# Altium PCB DE118_Timer.PcbDoc
Units mil, origin at the board's own origin, x right, y up, seen from the top; angles counter-clockwise.
Board outline 3937.01 x 3149.61 mil, 2 copper layers (Component Side, Bottom Layer), stack 4.3 mil thick; 32 components, 48 nets, 197 pads, 12 vias.
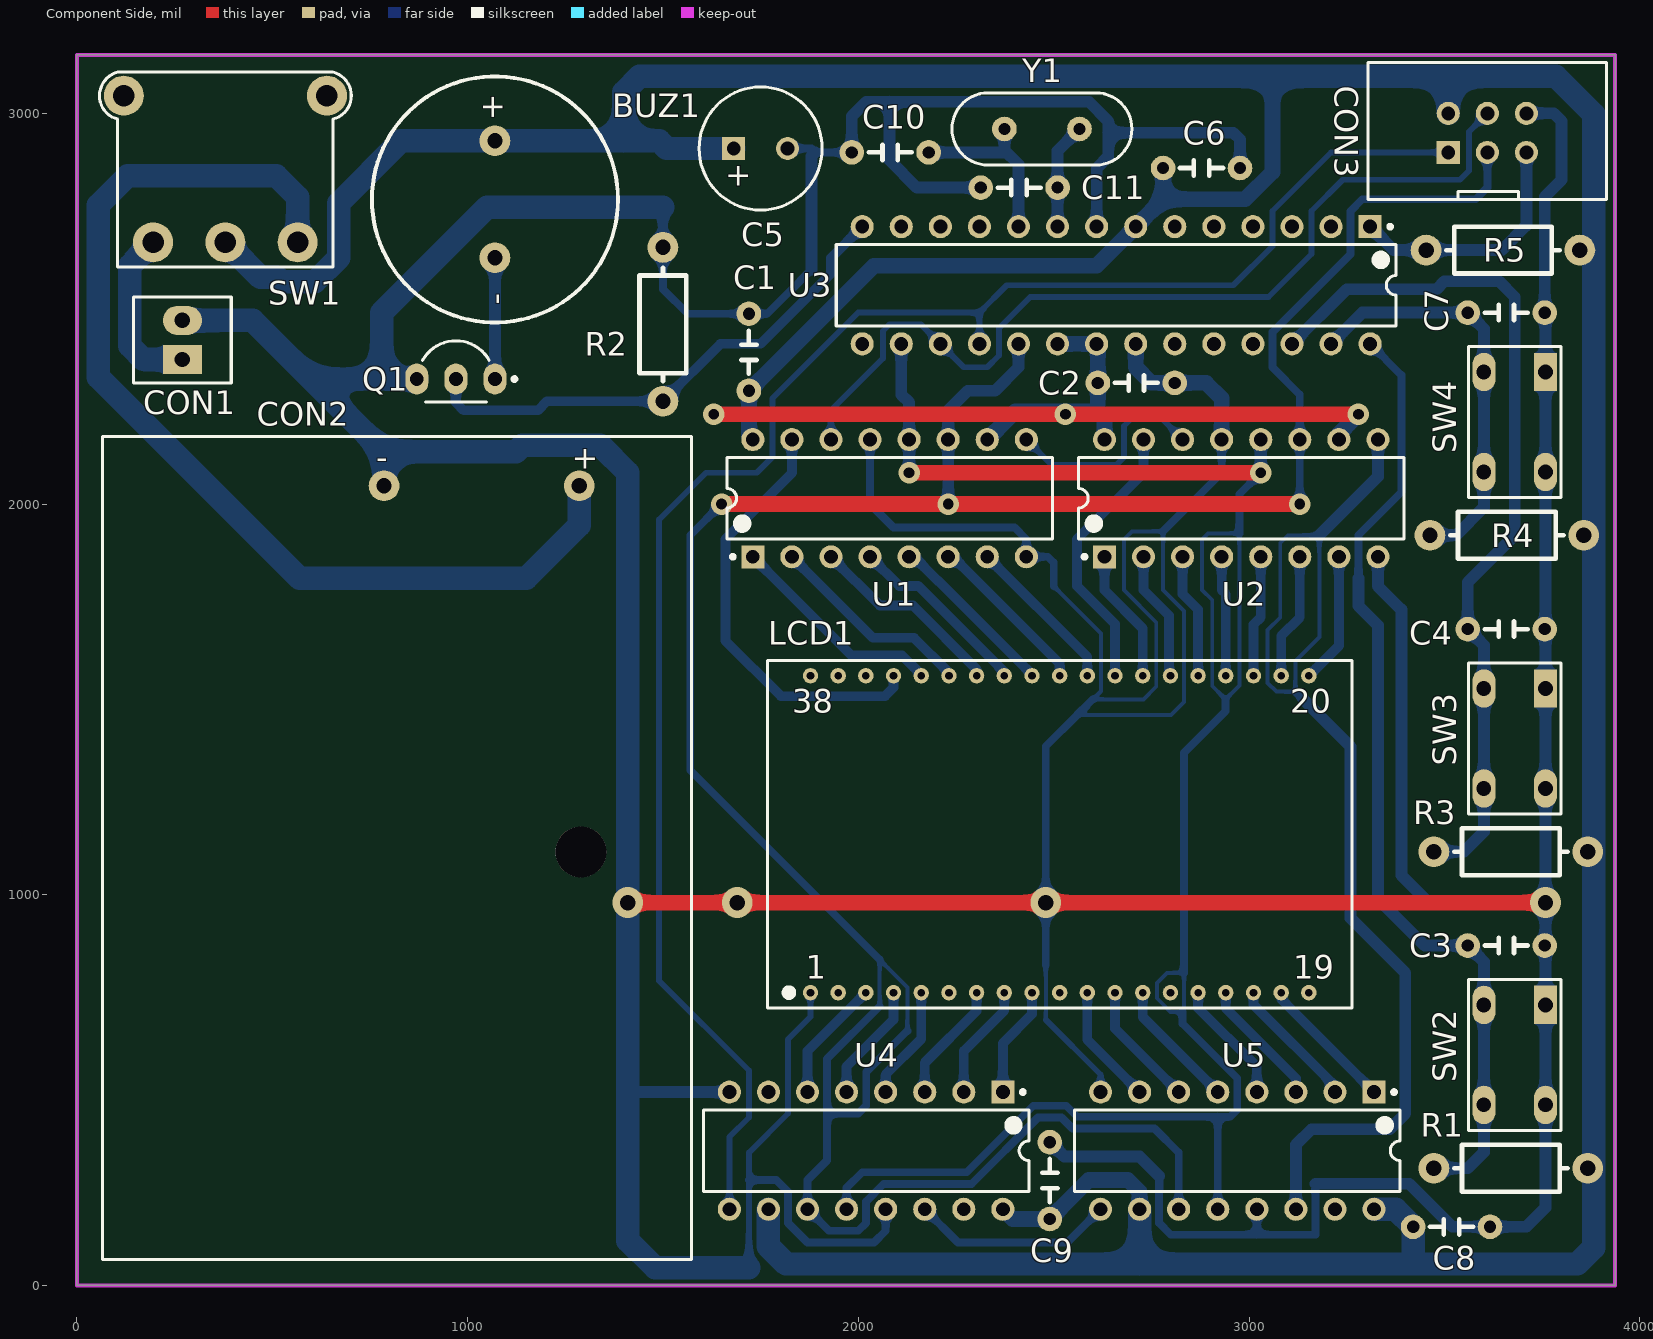
[diagram p0: Component Side view]
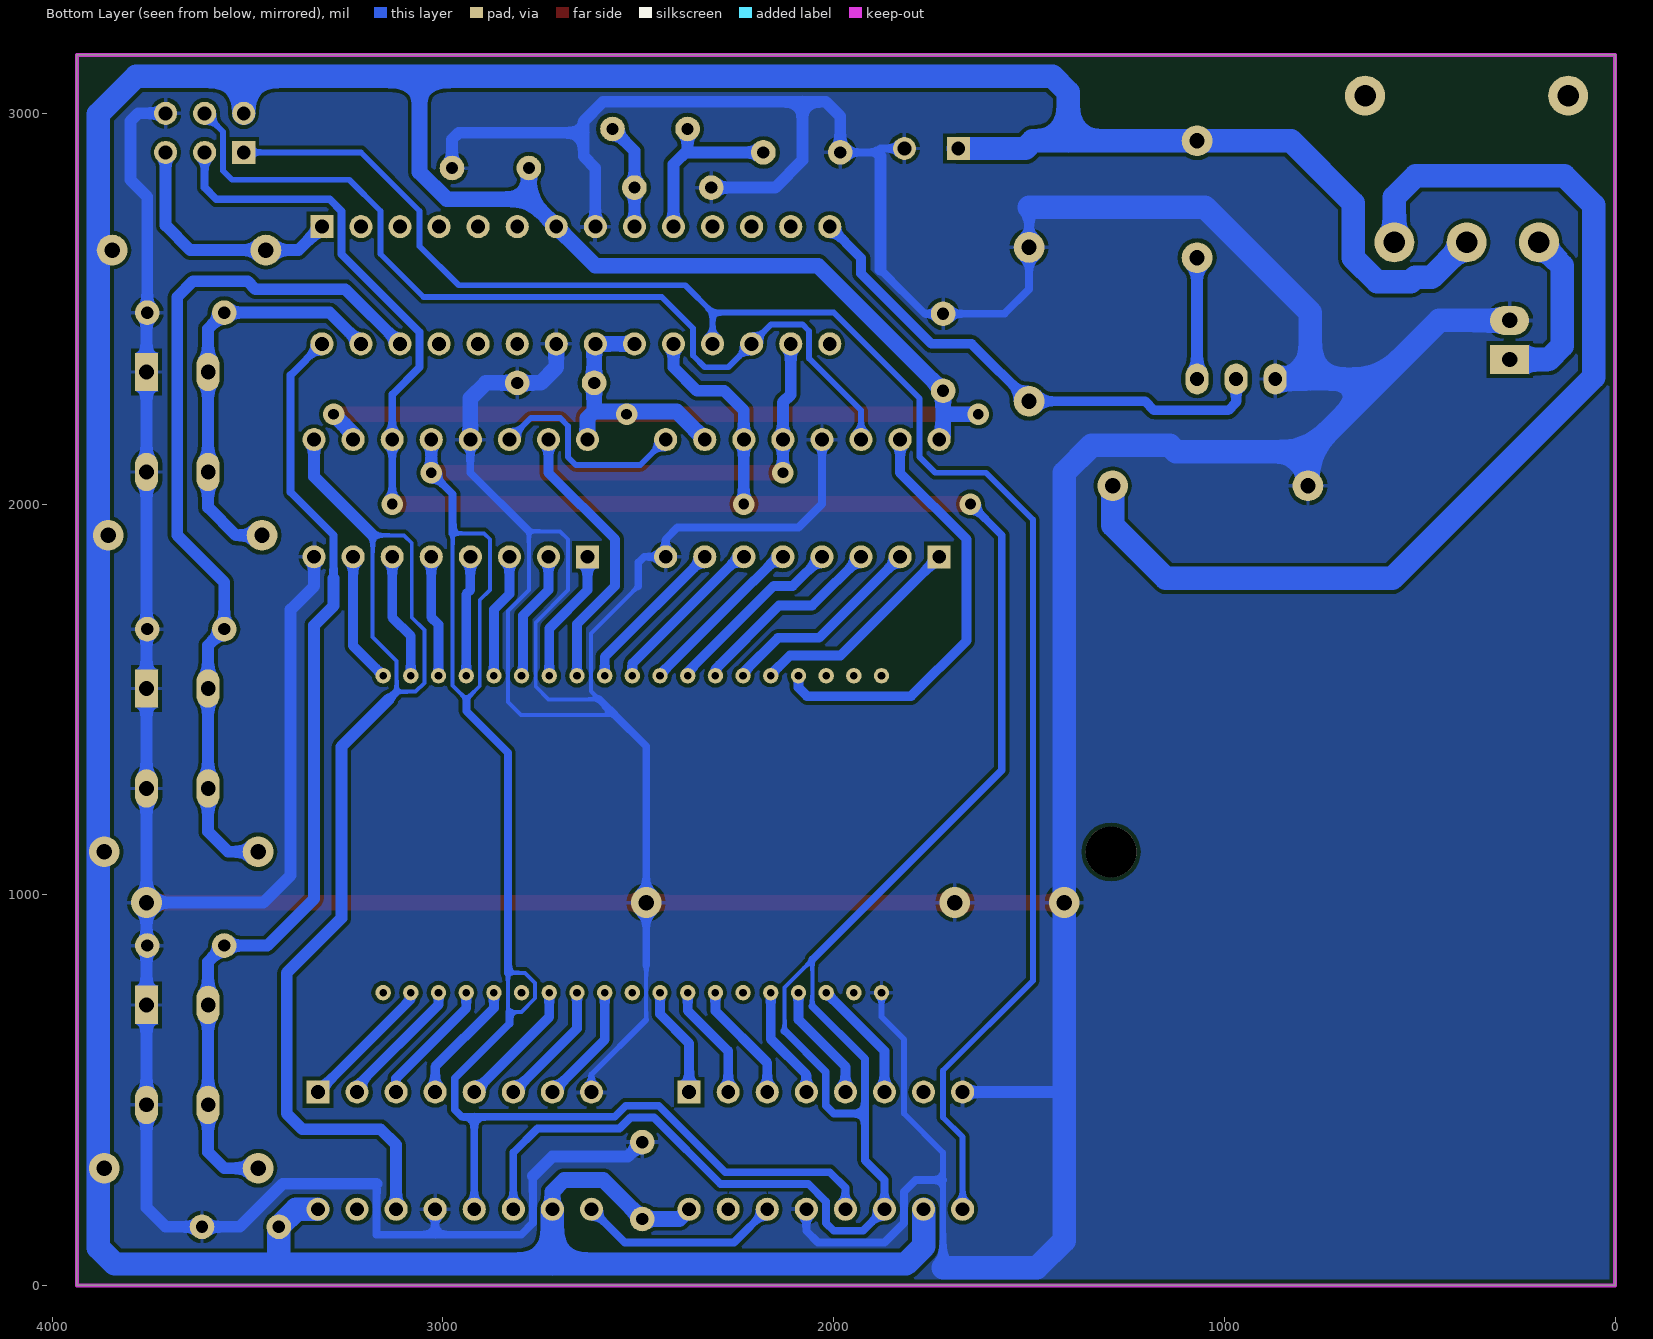
[diagram p1: Bottom Layer view, seen from below]

## Layer stack, top to bottom
Top Solder: solder mask 0.4, Solder Resist, Dk 3.5
Component Side: signal copper 1.4
Dielectric 1: core 1.5, FR-4, Dk 4.2
Bottom Layer: signal copper 1.4
Solder Side: solder mask 0.4, Solder Resist, Dk 3.5

## Board outline
0,0 3937.01,0 3937.01,3149.61 0,3149.61

## Design rules (kind name [scope] priority, off if disabled: settings)
Clearance ShieldClearance_BOT [InNamedPolygon('GND_BOT') vs InNet('SHIELD')] p1: gap=30
Clearance ShieldClearance_TOP [InNamedPolygon('GND_TOP') vs InNet('SHIELD')] p2: gap=30
Clearance [All] p3: gap=10
DiffPairsRouting DiffPair_100_2DiffPairsRouting [InDifferentialPairClass('DIFF100_2')] p1: maxlimit=10 minlimit=10 mostfreqgap=10 toplayer_minwidth=8 toplayer_maxwidth=15 toplayer_prefwidth=15 bottomlayer_minwidth=8 bottomlayer_maxwidth=15 bottomlayer_prefwidth=15 maxuncoupledlength=500
DiffPairsRouting DiffPair_100DiffPairsRouting [InDifferentialPairClass('DIFF100')] p2: maxlimit=10 minlimit=10 mostfreqgap=10 toplayer_minwidth=8 toplayer_maxwidth=15 toplayer_prefwidth=15 bottomlayer_minwidth=8 bottomlayer_maxwidth=15 bottomlayer_prefwidth=15 maxuncoupledlength=500
DiffPairsRouting [All] p3: maxlimit=10 minlimit=8 mostfreqgap=8 toplayer_minwidth=8 toplayer_maxwidth=30 toplayer_prefwidth=8 bottomlayer_minwidth=8 bottomlayer_maxwidth=30 bottomlayer_prefwidth=8 maxuncoupledlength=500
Height [All] p1: minheight=0 maxheight=1200 prefheight=500
HoleSize [All] p1: absolutevalues=TRUE maxlimit=200 minlimit=1 maxpercent=80.000 minpercent=20.000
MatchedLengths DiffPair_100_2MatchedLengths [InNetClass('DIFF100_A')] p1: tolerance=1000 checknetsindiffpair=TRUE checkdiffpairvsdiffpair=FALSE checkxsignals=FALSE checkothers=FALSE
MatchedLengths DiffPair_100MatchedLengths [InNetClass('DIFF100_B')] p2: tolerance=5 checknetsindiffpair=TRUE checkdiffpairvsdiffpair=FALSE checkxsignals=FALSE checkothers=FALSE
MinimumSolderMaskSliver [All] p1: minsoldermaskwidth=1
PasteMaskExpansion [InNet('230V_N')] p1: expansion=20
PlaneClearance [All] p1: clearance=10
PlaneConnect MotConnect [InNetClass('MOT[6..1]')] p1: planeconnectstyle=Direct reliefexpansion=20 reliefentries=4 reliefconductorwidth=10 reliefairgap=10
PlaneConnect ComConnect [InNetClass('COM[6..1]')] p2: planeconnectstyle=Direct reliefexpansion=20 reliefentries=4 reliefconductorwidth=10 reliefairgap=10
PlaneConnect ShieldConnect [InNet('SHIELD')] p3: planeconnectstyle=Relief reliefexpansion=20 reliefentries=4 reliefconductorwidth=10 reliefairgap=40
PlaneConnect [All] p4: planeconnectstyle=Relief reliefexpansion=8 reliefentries=4 reliefconductorwidth=8 reliefairgap=5
PolygonConnect [All] p1: connectstyle=Relief reliefconductorwidth=10 reliefentries=4 polygonreliefangle="90 Angle" airgapwidth=10
RoutingVias [All] p1: holewidth=5.91 width=11.81 viastyle="Through Hole" minholewidth=5.91 minwidth=11.81 maxholewidth=500 maxwidth=1000
SilkToSilkClearance [All] p1: silktosilkclearance=5
SilkToSolderMaskClearance SilkscreenOverComponentPads [IsPad] p1: minsilkscreentomaskgap=1 clearancetoexposedcopper=TRUE
SolderMaskExpansion [InNet('230V_N')] p1: expansion=5
Width GND [InNet('GND')] p1: maxlimit=100 minlimit=8 preferedwidth=50
Width 3V3 [InNet('3V3')] p2: maxlimit=40 minlimit=8 preferedwidth=30
Width 5V [InNet('5V')] p3: maxlimit=90 minlimit=10 preferedwidth=60
Width 24V [InNet('24V')] p4: maxlimit=80 minlimit=10 preferedwidth=60
Width [All] p5: maxlimit=100 minlimit=6 preferedwidth=8
21 further rules are at their usual default settings.

## Components (designator, comment, footprint, x,y, rotation, side; value= is the part's Value field where it differs from the comment)
BUZ1 "BUZZER" BUZZER-14mm 1070,2780 r270 top
C1 "100nF" CAP-5x2.5 1720,2486.85 r270 top
C2 "100nF" CAP-5x2.5 2810,2310 r180 top
C3 "100nF" CAP-5x2.5 3756.85,870 r180 top
C4 "100nF" CAP-5x2.5 3756.85,1680 r180 top
C5 "1uF" CAPPR3.5-8x12 1750,2910 r0 top
C6 "100nF" CAP-5x2.5 2976.85,2860 r180 top
C7 "100nF" CAP-5x2.5 3756.85,2490 r180 top
C8 "100nF" CAP-5x2.5 3616.85,150 r180 top
C9 "100nF" CAP-5x2.5 2490,366.85 r270 top
C10 "15pF" CAP-5x2.5 1983.15,2900 r0 top
C11 "15pF" CAP-5x2.5 2313.15,2810 r0 top
CON1 "MX-02227-2021" MX-02227-2021 270,2420 r90 top
CON2 "KEYS2460" BAT_HOLDER_2479RB 1286.06,2046.61 r0 top
CON3 "Header 3X2" HDR2X3_IDC 3510,2900 r0 top
LCD1 "DE118-RS-20/6.35" DE118 2515.39,1155 r0 top locked
Q1 "2N7000" TO92_WIDE 920,2320 r0 top
R1 "10k" RES_AXIAL_0W25 3670,300 r0 top
R2 "10k" RES_AXIAL_0W25 1500,2460 r270 top
R3 "10k" RES_AXIAL_0W25 3670,1110 r0 top
R4 "10k" RES_AXIAL_0W25 3660,1920 r0 top
R5 "10k" RES_AXIAL_0W25 3650,2650 r0 top
SW1 "5MS1S12AM6QE" 5MS1S12AM6QE 380,2670 r180 top
SW2 "DTSHW66NB" FSM2J 3680,590 r270 top
SW3 "DTSHW66NB" FSM2J 3680,1400 r270 top
SW4 "DTSHW66NB" FSM2J 3680,2210 r270 top
U1 "74HC595" DIP16 2080,2015 r90 top
U2 "74HC595" DIP16 2980,2015 r90 top
U3 "ATmega88PA-PU" DIP28 2660,2560 r270 top
U4 "74HC595" DIP16 2020,345 r270 top
U5 "74HC595" DIP16 2970,345 r270 top
Y1 "32k" HC-49U 2470,2960 r180 top

## Footprints (in the part's own frame and the unit in brackets; to place one, negate y for a bottom-side part, rotate by r counter-clockwise, add the part's x,y. Pads: shape width x height; smd on the part's side, far side on the other; paste and mask are expansions set on the pad)
5MS1S12AM6QE [mm] "spdt switch"
  round 2.6 hole 1.4: 1(4.7,0) 2(0,0) 3(-4.7,0) ""(-6.605,-9.53) ""(6.605,-9.53)
  silkscreen extent -8.19,-11.06 8.19,1.6, body extent -6.71,-15.64 6.71,0.6, height 6.7
BAT_HOLDER_2479RB [mm] "Holds Three (3) “AAA” Cells in Series"
  round 2 hole 1: 1(0,0) 2(-12.7,0)
  round 3.3 hole 3.3: ""(0.1,-23.8)
  silkscreen extent -31,-50.3 7.3,3.2, body extent -83.76,-50.08 7.05,2.9, height 13.78
BUZZER-14mm [mm]
  round 2 hole 1: 1(-3.8,0) 2(3.8,0)
  silkscreen extent -7.99,-8 8.01,8, body extent -6.98,-7 7,7, height 7.35
CAP-5x2.5 [mm]
  round 1.6 hole 0.8: 1(0,0) 2(5,0)
  silkscreen extent 1.1,-0.5 3.9,0.5, body extent -0.39,-1.59 5.39,1.59, height 5
CAPPR3.5-8x12 [mm] "Capacitor, Electrolytic, Radial; Body 8 x 12 mm (Dia.xH typ); Pin Spacing 3.5 mm (typ)"
  rect 1.5x1.5 hole 0.9: 1(-1.75,0)
  round 1.5 hole 0.9: 2(1.75,0)
  silkscreen extent -4,-4 4,4, body extent -4,-4 3.98,4, height 12.01
DE118 [mm] "DISPLAY ELEKTRONIK DE 118-RS-20/6,35/M"
  round 1 hole 0.5: 1(-16.2,-10.3) 2(-14.4,-10.3) 3(-12.6,-10.3) 4(-10.8,-10.3) 5(-9,-10.3) 6(-7.2,-10.3) 7(-5.4,-10.3) 8(-3.6,-10.3) 9(-1.8,-10.3) 10(0,-10.3) 11(1.8,-10.3) 12(3.6,-10.3) 13(5.4,-10.3) 14(7.2,-10.3) 15(9,-10.3) 16(10.8,-10.3) 17(12.6,-10.3) 18(14.4,-10.3) 19(16.2,-10.3) 20(16.2,10.3) 21(14.4,10.3) 22(12.6,10.3) 23(10.8,10.3) 24(9,10.3) 25(7.2,10.3) 26(5.4,10.3) 27(3.6,10.3) 28(1.8,10.3) 29(0,10.3) 30(-1.8,10.3) 31(-3.6,10.3) 32(-5.4,10.3) 33(-7.2,10.3) 34(-9,10.3) 35(-10.8,10.3) 36(-12.6,10.3) 37(-14.4,10.3) 38(-16.2,10.3)
  silkscreen extent -19,-11.3 19,11.3
DIP16 [mm]
  rect 1.5x1.5 hole 0.9: 1(-3.81,8.89)
  round 1.5 hole 0.9: 2(-3.81,6.35) 3(-3.81,3.81) 4(-3.81,1.27) 5(-3.81,-1.27) 6(-3.81,-3.81) 7(-3.81,-6.35) 8(-3.81,-8.89) 9(3.81,-8.89) 10(3.81,-6.35) 11(3.81,-3.81) 12(3.81,-1.27) 13(3.81,1.27) 14(3.81,3.81) 15(3.81,6.35) 16(3.81,8.89)
  silkscreen extent -3.93,-10.58 2.65,10.58, body extent -5.08,-10.16 5.08,10.16, height 9.1
DIP28 [mm] "28-Pin Plastic Dual In-Line Package (PDIP)"
  rect 1.5x1.5 hole 0.9: 1(-3.81,16.51)
  round 1.5 hole 0.9: 2(-3.81,13.97) 3(-3.81,11.43) 4(-3.81,8.89) 5(-3.81,6.35) 6(-3.81,3.81) 7(-3.81,1.27) 8(-3.81,-1.27) 9(-3.81,-3.81) 10(-3.81,-6.35) 11(-3.81,-8.89) 12(-3.81,-11.43) 13(-3.81,-13.97) 14(-3.81,-16.51) 15(3.81,-16.51) 16(3.81,-13.97) 17(3.81,-11.43) 18(3.81,-8.89) 19(3.81,-6.35) 20(3.81,-3.81) 21(3.81,-1.27) 22(3.81,1.27) 23(3.81,3.81) 24(3.81,6.35) 25(3.81,8.89) 26(3.81,11.43) 27(3.81,13.97) 28(3.81,16.51)
  silkscreen extent -3.93,-18.2 2.65,18.2, body extent -5.08,-18 5.08,18, height 9.08
FSM2J [mm]
  rect 2.5x1.5 hole 0.95: 1(-3.25,2)
  oval 2.5x1.5 hole 0.95: 1(3.25,2) 2(-3.25,-2) 2(3.25,-2)
  silkscreen extent -4.9,-3 4.9,3, body extent -4.13,-3.3 4.13,3.2, height 7
HC-49U [mm] "Quartz Crystal, Thru-Hole; 2 Leads; Body 11.35 x 4.65 x 13.46 mm (LxWxH max)"
  round 1.6 hole 0.8: 1(-2.44,0) 2(2.44,0)
  silkscreen extent -5.85,-2.35 5.85,2.35, body extent -5.67,-2.3 5.68,2.35, height 3.6
HDR2X3_IDC [mm] "Connector; Header; 3x2 Position"
  rect 1.5x1.5 hole 0.9: 1(0,0)
  round 1.5 hole 0.9: 2(0,2.54) 3(2.54,0) 4(2.54,2.54) 5(5.08,0) 6(5.08,2.54)
  silkscreen extent -5.21,-3.05 10.29,5.84, body extent -5.07,-3.01 10.15,5.84, height 8.93
MX-02227-2021 [mm]
  rect 1.905x2.54 hole 1: 1(-1.27,0)
  oval 1.905x2.54 hole 1: 2(1.27,0)
  silkscreen extent -2.79,-3.18 2.79,3.17, body extent -2.54,-2.92 2.54,2.88, height 11.7
RES_AXIAL_0W25 [mm]
  round 2 hole 1: 1(-4.999,0) 2(4.999,0)
  silkscreen extent -3.68,-1.52 3.68,1.52, body extent -5.38,-1.2 5.38,1.2, height 2.2
TO92_WIDE [mm]
  oval 1.5x2 hole 0.9: 1(3.81,0) 2(1.27,0) 3(-1.27,0)
  silkscreen extent -0.9,-1.5 5.21,2.48, body extent -1.5,-1.55 4.04,2.55, height 6.7

## Part data
C1 C2 C3 C4 C6 C7 C8 C9 C10 C11: library part Cap, "Capacitor"
C5: library part "Capacitor Tantalum", "Capacitor Tantalum"
CON1: "Pith 2.54mm, 2-pin"
CON2: "Holds Three (3) “AAA” Cells in Series"
CON3: "Header, 3-Pin, Dual row"
LCD1: "Wyœwietlacz: LCD; cyfrowy; STN Positive; Il.cyfr:4; Znak:8mm"
R1 R2 R3 R4 R5: library part Resistor, "Resistor"
SW2 SW3 SW4: "SWITCH, SPNO TACT"
U1 U2 U4 U5: "8-bit serial-in, serial or parallel-out shift register with output latches; 3-state"
U3: "8-bit AVR Microcontroller, 8KB Flash, 512 Bytes EEPROM, 1KB SRAM, 28-pin PDIP, Industrial Grade (-40°C to 85°C)"
Y1: library part XTAL, "Crystal Oscillator"

## Via types
v1: diameter 55.12, hole 27.56, Component Side to Bottom Layer, tented both sides, 8 vias
v2: diameter 78.74, hole 39.37, Component Side to Bottom Layer, tented both sides, 4 vias

## Nets (pads, with @x,y where several pads share a name; then routed paths per layer and width w, separated by ;. In a path a pad name is that pad's centre, name@x,y a point inside that pad or via, vN(x,y) a via of type N, cw(c..) or ccw(c..) an arc to the next point about the centre after c; other vN are vias at no path point)
#CS: U1.12 U2.12 U3.16 U4.12 U5.12 | length 5227.9
  Component Side w40: v1(2130,2080) v1(3030,2080)
  Bottom Layer w10: 2764.17,735.12 2799.29,700 2830,700 2833.54,703.54 2833.54,800 2790,800 2764.17,774.17 2764.17,735.12 ; 2880,1780 2880,1910 2894.72,1924.72 2975.28,1924.72 2975.28,1535.28 2940,1500 2905.91,1534.09 2905.91,1754.09 2880,1780
  Bottom Layer w20: U4.12 1970,250 2010,290 2277.57,290 2447.57,460 2532.43,460 2560.58,431.85 2920,431.85 ; 2830,700 2830,670 2970,530 2970,450 2951.85,431.85 2920,431.85 ; 2833.54,800 2833.54,1363.54 2940,1470 2940,1500 ; U5.12 2920,431.85 ; 2975.28,1924.72 2975.28,2025.28 v1(3030,2080)
  Bottom Layer w30: U3.16 2110,2280 2130,2260 U1.12 v1(2130,2080) ; v1(3030,2080) U2.12
#RST: CON3.5 R5.1 U3.1 | length 637.9
  Bottom Layer w30: U3.1 3370,2650 R5.1 3646.85,2650 3710,2713.15 CON3.5
BTN1: C3.2 R1.1 SW2.2 U3.28 | length 2490.1
  Bottom Layer w20: 3280,1810 3280,1920 3390,2030 3390,2330 U3.28
  Bottom Layer w30: 3280,1810 3280,1740 3330,1690 3330,990 3450,870 C3.2 3601.26,828.74 3601.26,717.95 3601.26,462.05 3601.26,341.26 3560,300 R1.1
BTN2: C4.2 R3.1 SW3.2 U3.26 | length 2237.7
  Bottom Layer w30: U3.26 3250,2550 3480,2550 3500,2570 3640,2570 3680,2530 3680,1920 3560,1800 C4.2 3601.26,1638.74 3601.26,1527.95 3601.26,1272.05 3601.26,1161.26 3550,1110 R3.1
BTN3: C7.2 R4.1 SW4.2 U3.27 | length 1066.6
  Bottom Layer w30: U3.27 3290,2490 C7.2 3601.26,2448.74 3601.26,2337.95 3601.26,2082.05 3601.26,1991.26 3530,1920 R4.1
BUZZ: Q1.2 R2.2 U3.14 | length 1326.4
  Bottom Layer w25: Q1.2 970,2260 990,2240 1180,2240 1203.19,2263.19 R2.2 1646.81,2410 1750,2410 1930,2590 1930,2630 U3.14
GND: C1.1 C2.1 C3.1 C4.1 C5.2 C6.1 C7.1 C8.1 C9.1 C10.1 C11.1 CON1.2 CON2.2 CON3.6 LCD1.1 Q1.3 R2.1 SW2.1 SW3.1 SW4.1 U1.8 U1.13 U2.8 U2.13 U3.8 U3.22 U4.8 U4.13 U5.8 U5.13 | length 22161.6
  Component Side w40: v2(1410,980) v2(2480,980) v2(3758.74,980)
  Bottom Layer w10: 2479.96,680.04 2479.96,820 ; 2500,1790 2620.94,1669.05 2620.94,1520.94 2600,1500 2730,1500 2762.68,1532.68 2762.68,1697.32 2680,1780 2680,1910 2700,1930 2780,1930 2780,1780 2833.54,1726.46 2833.54,1493.54 2800,1460 2560,1460
  Bottom Layer w15: 1410,490 1415,495 ; 1720,45 1720,270 1720,340 1820,440 1820,630 1877.6,687.6 LCD1.1 ; 2479.96,680.04 2620,540 U5.8
  Bottom Layer w20: 1500,2760 R2.1 1500,2550 1563.15,2486.85 C1.1 1766.85,2486.85 1880,2600 ; 1720,270 1790,270 1820,240 1820,160 1870,110 2040,110 2070,140 U4.13 ; C5.2 1880,2910 1890,2900 C10.1 ; U1.13 2030,2000 2090,1940 2400,1940 2430,1910 U1.8 2485,1865 2500,1850 2500,1790 ; 2479.96,820 2479.96,1379.96 2560,1460 2600,1500 ; 2770,280 2770,160 2800,130 3020,130 ; 2780,1930 2930,2080 U2.13 ; U5.13 3020,130 ; 3170,260 3170,130 3020,130
  Bottom Layer w30: 1415,495 U4.8 ; 1880,2600 1880,2890 1890,2900 ; C10.1 1983.15,2992.76 2020,3029.61 2080,3029.61 ; C11.1 2150,2810 2080,2880 2080,3029.61 ; C9.1 2526.85,330 2720,330 2770,280 ; U3.8 2610,2860 2640,2890 2640,2950 ; C6.1 2976.85,2933.15 2960,2950 2640,2950 ; 3170,260 3410,260 3520,150 C8.1 3710,150 3758.74,198.74 3758.74,462.05 3758.74,717.95 v2(3758.74,980) ; U2.8 3330,1790 3390,1730 3390,1050 3460,980 v2(3758.74,980) ; CON3.6 3780,3000 3800,2980 3800,2830 3756.85,2786.85 C7.1 ; C7.1@3746.85,2490 3758.74,2478.11 3758.74,2337.95 3758.74,2082.05 3758.74,1527.95 3758.74,1272.05 v2(3758.74,980) ; 2080,3029.61 2590.5,3029.61 2640,2980.1 2640,2950
  Bottom Layer w40: U3.22 2710,2350 2750,2310 C2.1 2890,2310 2930,2270 U2.13
  Bottom Layer w60: CON1.2 450,2470 600,2320 ; CON2.2 786.06,2133.94 ; Q1.3 780,2320 ; 1500,2760 1050,2760 780,2490 780,2320 ; 1720,45 1480,45 1410,115 1410,490 1410,2080 1340,2150 1140,2150 1123.94,2133.94 786.06,2133.94 ; 600,2320 780,2320 ; 600,2320 786.06,2133.94
  other v2: 1690,980
MISO: CON3.1 U3.18 U4.9 | length 4510.9
  Bottom Layer w15: U4.9 1670,380 1720,430 1720,550 1490,780 1490,1960 1610,2080 1740,2080 1780,2120 1780,2270 2000,2490 2310,2490 ; U3.18 2310,2490 ; CON3.1 3210,2900 3060,2750 3060,2660 2960,2560 2380,2560 2310,2490
MOSI: CON3.4 U1.14 U3.17 | length 2366
  Bottom Layer w15: U1.14 1930,2240 2062.97,2372.97 2062.97,2442.97 2080,2460 2160,2460 U3.17 2270,2350 2330,2350 2360,2380 2360,2450 2440,2530 3050,2530 3160,2640 3160,2750 3240,2830 3540,2830 3562.97,2852.97 3562.97,2952.97 CON3.4
NetBUZ1_2: BUZ1.2 Q1.1 | length 310.4
  Bottom Layer w30: Q1.1 BUZ1.2
NetC10_2: C10.2 U3.10 Y1.2 | length 458.9
  Bottom Layer w30: C10.2 2373.94,2900 ; Y1.2 2373.94,2906.06 2410,2870 U3.10
NetC11_2: C11.2 U3.9 Y1.1 | length 273.2
  Bottom Layer w30: U3.9 C11.2 2510,2903.94 Y1.1
NetCON1_1: CON1.1 SW1.1 | length 439.3
  Bottom Layer w60: SW1.1 135,2610.04 135,2405 170,2370 CON1.1
NetCON2_1: CON2.1 SW1.3 | length 2720.2
  Bottom Layer w60: SW1.3 565.04,2784.96 510,2840 130,2840 55,2765 55,2325 570,1810 1150,1810 1286.06,1946.06 CON2.1
NetLCD1_3: LCD1.3 U4.6 | length 316.3
  Bottom Layer w25: U4.6 1870,600.16 LCD1.3
NetLCD1_4: LCD1.4 U4.5 | length 304.3
  Bottom Layer w25: U4.5 1970,560 2090.2,680.2 LCD1.4
NetLCD1_5: LCD1.5 U4.4 | length 296.5
  Bottom Layer w25: U4.4 2070,540 2161.06,631.06 LCD1.5 LCD1.5@2156.77,749.49
NetLCD1_7: LCD1.7 U4.3 | length 309.5
  Bottom Layer w25: U4.3 2170,570 2302.8,702.8 LCD1.7
NetLCD1_8: LCD1.8 U4.2 | length 297.4
  Bottom Layer w25: U4.2 2270,600 2373.66,703.66 LCD1.8
NetLCD1_9: LCD1.9 U4.1 | length 285.4
  Bottom Layer w25: U4.1 2370,620 2444.53,694.53 LCD1.9
NetLCD1_11: LCD1.11 U5.7 | length 309.9
  Bottom Layer w25: LCD1.11 2586.26,628.74 U5.7
NetLCD1_12: LCD1.12 U5.6 | length 322
  Bottom Layer w25: LCD1.12 2657.13,657.87 U5.6
NetLCD1_13: LCD1.13 U5.5 | length 334
  Bottom Layer w25: LCD1.13 2727.99,687.01 U5.5
NetLCD1_15: LCD1.15 U5.4 | length 322.9
  Bottom Layer w25: LCD1.15 2869.72,710.28 3020,560 3020,510 U5.4@3005,495
NetLCD1_16: LCD1.16 U5.3 | length 328.8
  Bottom Layer w25: LCD1.16 2940.59,709.41 3120,530 U5.3
NetLCD1_17: LCD1.17 U5.2 | length 340.9
  Bottom Layer w25: LCD1.17 3011.46,718.54 3220,510 U5.2
NetLCD1_18: LCD1.18 U5.1 | length 352.9
  Bottom Layer w25: LCD1.18 3082.32,732.68 U5.1
NetLCD1_20: LCD1.20 U2.7 | length 336.3
  Bottom Layer w25: LCD1.20 3230,1637.32 U2.7
NetLCD1_21: LCD1.21 U2.6 | length 324.2
  Bottom Layer w25: LCD1.21 3082.32,1662.32 3130,1710 U2.6
NetLCD1_22: LCD1.22 U2.5 | length 312.2
  Bottom Layer w25: LCD1.22 3011.46,1691.46 3030,1710 U2.5
NetLCD1_23: LCD1.23 U2.4 | length 308.9
  Bottom Layer w25: U2.4 2930,1780 2940.59,1769.41 LCD1.23
NetLCD1_24: LCD1.24 U2.3 | length 320.9
  Bottom Layer w25: U2.3 2830,1770 2869.72,1730.28 LCD1.24
NetLCD1_25: LCD1.25 U2.2 | length 333
  Bottom Layer w25: U2.2 2730,1780 2795,1715 2795,1564.37 LCD1.25
NetLCD1_26: LCD1.26 U2.1 | length 345.1
  Bottom Layer w25: U2.1 2630,1780 2727.99,1682.01 LCD1.26
NetLCD1_27: LCD1.27 U2.15 | length 715.1
  Bottom Layer w25: LCD1.27 2657.13,1692.87 2560,1790 2560,1910 2730,2080 U2.15
NetLCD1_28: LCD1.28 U1.7 | length 410.6
  Bottom Layer w25: U1.7 2586.26,1608.74 LCD1.28
NetLCD1_29: LCD1.29 U1.6 | length 429.9
  Bottom Layer w25: U1.6 2242.28,1865 2515.39,1591.89 LCD1.29
NetLCD1_30: LCD1.30 U1.5 | length 446.9
  Bottom Layer w25: U1.5 2142.97,1865 2167.97,1840 2167.97,1839.31 2204.31,1802.97 2205,1802.97 LCD1.30@2445.99,1561.98 ; LCD1.30 LCD1.30@2444.53,1565.47
NetLCD1_31: LCD1.31 U1.4 | length 475.3
  Bottom Layer w25: U1.4 2105,1790 2153.64,1790 2373.66,1569.98 LCD1.31
NetLCD1_32: LCD1.32 U1.3 | length 508.7
  Bottom Layer w25: U1.3 2055,1740 2140,1740 2302.8,1577.2 LCD1.32
NetLCD1_33: LCD1.33 U1.2 | length 535
  Bottom Layer w25: U1.2 2037.3,1657.7 2142.3,1657.7 2227.64,1572.36 2227.64,1560.51 LCD1.33
NetLCD1_34: LCD1.34 U1.1 | length 558.9
  Bottom Layer w25: U1.1 1982.3,1612.7 2111.81,1612.7 2161.06,1563.45 LCD1.34
NetLCD1_35: LCD1.35 U1.15 | length 1113.7
  Bottom Layer w25: U1.15 1830,2080 1660,1910 1660,1650 1801.67,1508.33 2068.33,1508.33 2090.2,1530.2 LCD1.35
QDS1: U1.9 U2.14 | length 546.3
  Bottom Layer w15: U1.9 2495,2100 2660,2100 2680,2120 2680,2200 2700,2220 2775,2220 U2.14
QDS2: U2.9 U5.14 | length 2966.8
  Bottom Layer w10: 3047.64,1542.36 3070,1520 3118.5,1520 3118.5,1598.5 3180,1660 3180,1920 3100,1920 3080,1900 3080,1710 3047.64,1677.64 3047.64,1542.36
  Bottom Layer w20: 3118.5,1520 3138.5,1500
  Bottom Layer w30: U5.14 3120,360 3160,400 3360,400 3400,440 3400,800 3260,940 3260,1378.5 3138.5,1500 ; 3180,1920 3330,2070 U2.9
QDS3: U4.14 U5.9 | length 525.4
  Bottom Layer w20: U4.14@2170,200 U4.14 2255,110 2535,110 U5.9
SCK: CON3.3 U1.11 U2.11 U3.19 U4.11 U5.11 | length 7320.5
  Component Side w40: v1(1650,2000) v1(2230,2000) v1(3130,2000)
  Bottom Layer w10: 2054.76,714.76 2054.76,833.97 2125.63,763.11 2125.63,651.59
  Bottom Layer w20: v1(1650,2000) 1570,1920 1570,1318.74 2054.76,833.97 ; 2054.76,714.76 1920,580 1920,440 ; 2125.63,651.59 2020.47,546.43 2020.47,460.47 2000,440 1920,440 ; U5.11 2820,340 2758.15,401.85 2548.15,401.85 2520,430 2460,430 2290,260 2064.96,260 2020,215.04 2020,160 2000,140 1925,140 U4.11 1870,270 1920,320 1920,440 ; v1@3130,1990 v1(3130,2000) U2.11 3130,2280 3060,2350 3060,2440 3259.53,2639.53 3259.53,2749.53 3290,2780 3580,2780 3610,2810 CON3.3
  Bottom Layer w30: v1(2230,2000) U1.11 2230,2240 2280,2290 2350,2290 2410,2350 U3.19
VIN: BUZ1.1 C1.2 C2.2 C5.1 C6.2 C8.2 C9.2 CON3.2 R1.2 R3.2 R4.2 R5.2 SW1.2 U1.10 U1.16 U2.10 U2.16 U3.7 U3.20 U3.21 U4.10 U4.16 U5.10 U5.16 | length 14820.6
  Component Side w40: v1(1630,2230) v1(2530,2230) 3230,2230 v1(3280,2230)
  Bottom Layer w40: v1(1630,2230) 1717.5,2230 1720,2232.5 ; U1.16 1720,2175 1720,2232.5 ; U1.10 2401.85,2236.85 2613.15,2236.85 ; U4.16 2395,170 C9.2 2590,270 2690,270 2720,240 U5.10 ; U3.20 U3.21 2613.15,2406.85 C2.2 2613.15,2236.85 ; U2.16 2630,2220 2613.15,2236.85 ; C6.2 2780,2780 ; 3060,3094.61 3060,2850 2990,2780 2780,2780 ; U2.10 3230,2180 v1(3280,2230) ; 1720,2232.5 C1.2 2040,2610 2610,2610 U3.7 2780,2780
  Bottom Layer w60: SW1.2 470,2580 511.95,2580 523.13,2568.82 608.82,2568.82 670,2630 670,2770 829.61,2929.61 BUZ1.1 1399.61,2929.61 ; C5.1 1510,2910 1490.39,2929.61 1399.61,2929.61 ; U4.10 1770,100 1815,55 2720,55 ; U5.10 2720,55 ; U5.16 3375,195 C8.2 3420,65 3410,55 ; CON3.2 3510,3094.61 ; 1399.61,2929.61 1399.61,3054.21 1440,3094.61 3060,3094.61 3510,3094.61 ; 2720,55 3410,55 ; 3410,55 3840,55 3882.01,97.01 3882.01,2997.99 3785.39,3094.61 3510,3094.61
pads on no net: CON2. LCD1.2 LCD1.6 LCD1.10 LCD1.14 LCD1.19 LCD1.36 LCD1.37 LCD1.38 SW1. U3.2 U3.3 U3.4 U3.5 U3.6 U3.11 U3.12 U3.13 U3.15 U3.23 U3.24 U3.25 U4.7 U4.15 U5.15

## Polygon pours and split planes (outlines as drawn)
GND on Bottom Layer "GND" (solid, remove dead copper, pour order 0): 0,3149.61 3937.01,3149.61 3937.01,0 0,0

## Keep-outs
Keep-Out Layer:
  the board outline again, w10

## Silkscreen, mask and mechanical layers (free items; w line width, h text height)
Mechanical 1:
  lines w11.81: 3758.74,980 3758.74,980

## Text inside footprints (layer, text, board x,y; h text height)
BUZ1: Top Overlay "-" at 1100,2510 h60 r90; Top Overlay "+" at 1040,3050 h60 r270
C5: Top Overlay "+" at 1660,2815 h59.06
CON2: Top Overlay "+" at 1266.38,2089.92 h60; Top Overlay "-" at 766.38,2089.92 h60
LCD1: Top Overlay "1" at 1865.79,784.92 h60; Top Overlay "19" at 3113.82,784.92 h60; Top Overlay "20" at 3105.94,1466.02 h60; Top Overlay "38" at 1830.35,1466.02 h60